# KiCad board nyx.kicad_pcb (continued)
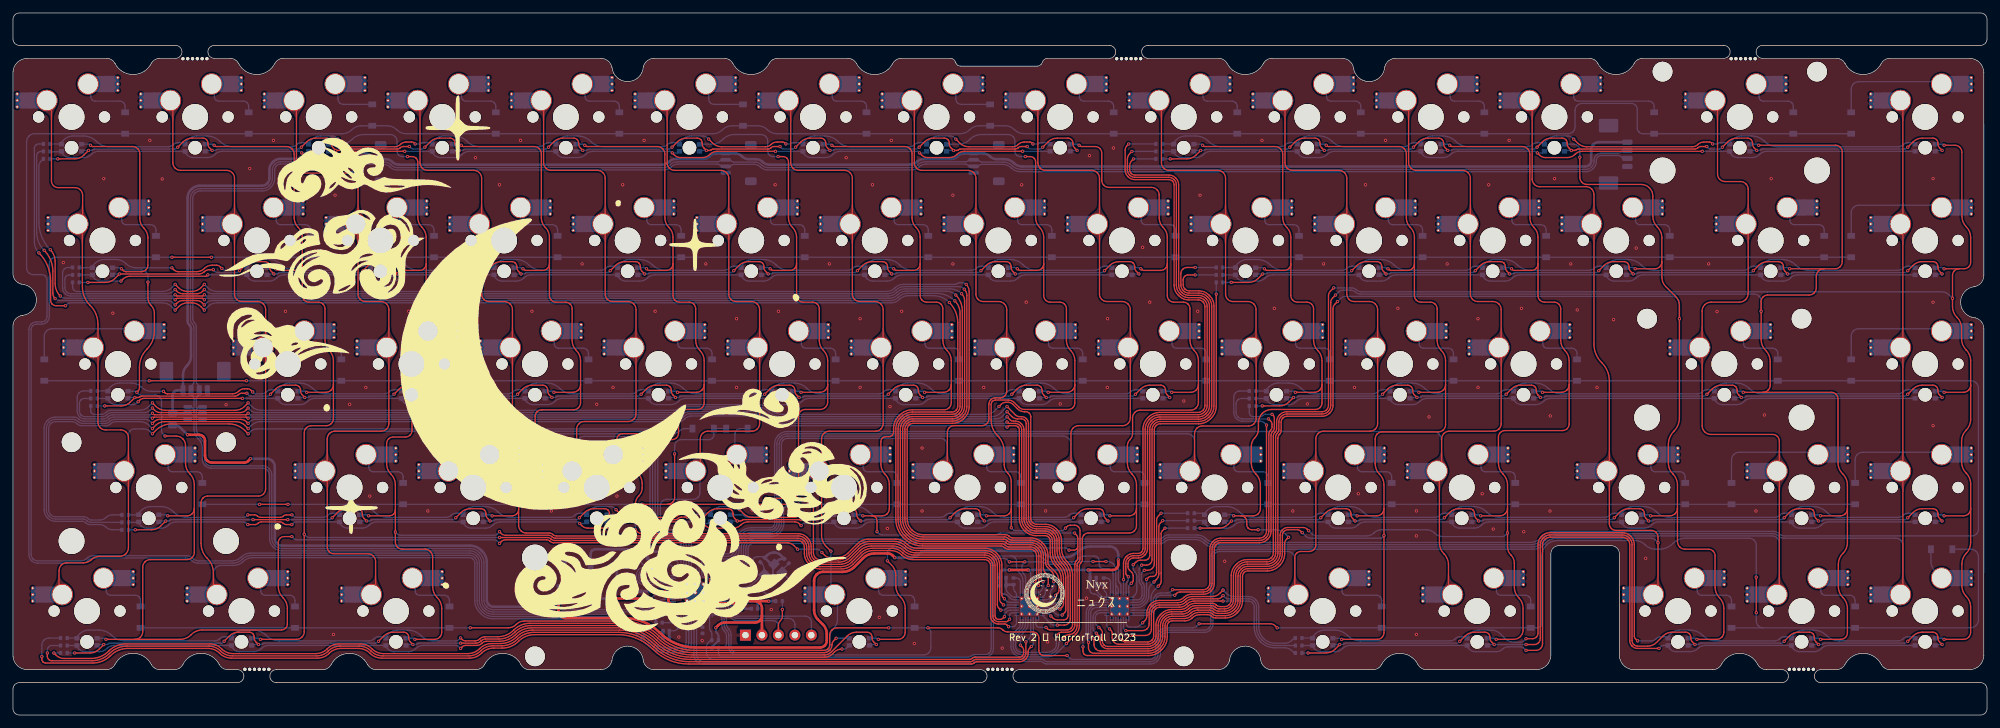
[diagram p0: board, top side]
## Routing (per net, layer and track width the routed paths; a pad name or vN(x,y) marks a point on that pad's centre or on a via; arc(x,y) is an arc through that point) (continued)
XTAL1: length 9.8
  Bottom w0.2: Y1.3 115.77,22.61 arc(115.7,22.99) 115.48,23.32 C1.1 ; 115.55,21.7 114.52,20.66 arc(113.22,19.79) 111.69,19.48 U3.20
XTAL2: length 11
  Bottom w0.2: U3.21 115.4,19.08 arc(115.67,19.03) 115.89,18.88 115.89,18.88 arc(116.12,18.73) 116.39,18.67 117.18,18.67 arc(117.56,18.75) 117.89,18.97 R1.1
~{NRST}: length 18.4
  Top w0.2: J2.3 118,13.83 arc(118.08,14.22) 118.29,14.54 118.32,14.57 arc(118.53,14.89) 118.61,15.27 v1(118.61,16.27)
  Bottom w0.2: U3.26 109.68,17.08 arc(109.93,17.03) 110.15,16.89 arc(110.29,16.68) 110.34,16.44 110.34,15.85 arc(110.43,15.38) 110.7,14.97 110.76,14.92 arc(111.16,14.65) 111.64,14.55 117.2,14.55 arc(117.5,14.49) 117.76,14.32 117.77,14.31 arc(117.94,14.05) 118,13.75 J2.3 ; R3.2 v1(118.61,16.27)
Net-(C13-Pad1): length 3.5
  Bottom w0.2: C13.1 118.53,22.32 Y1.1 119.73,20.85 R1.2
Net-(D1-A): length 9.2
  Bottom w0.2: D1.2 17.28,93.86 arc(17.22,94.16) 17.05,94.42 17.03,94.44 arc(16.77,94.61) 16.47,94.67 12.67,94.67 arc(12.42,94.72) 12.21,94.86 12.19,94.88 arc(12.05,95.09) 12,95.34 12,96.89 MX1.2
Net-(D2-A): length 9.2
  Bottom w0.2: MX2.2 31.05,96.89 31.05,95.34 arc(31.1,95.09) 31.24,94.88 31.26,94.86 arc(31.47,94.72) 31.72,94.67 35.52,94.67 arc(35.82,94.61) 36.08,94.44 36.1,94.42 arc(36.27,94.16) 36.33,93.86 D2.2
Net-(D3-A): length 8.2
  Bottom w0.2: MX3.2 50.1,96.89 50.1,95.02 arc(50.16,94.7) 50.35,94.42 50.35,94.42 arc(50.63,94.24) 50.95,94.17 D3.2
Net-(D4-A): length 9.2
  Bottom w0.2: MX4.2 69.15,96.89 69.15,95.34 arc(69.2,95.09) 69.34,94.88 69.36,94.86 arc(69.57,94.72) 69.82,94.67 73.62,94.67 arc(73.92,94.61) 74.18,94.44 74.2,94.42 arc(74.37,94.16) 74.43,93.86 D4.2
Net-(D5-A): length 9.2
  Bottom w0.2: D5.2 93.48,93.86 arc(93.42,94.16) 93.25,94.42 93.23,94.44 arc(92.97,94.61) 92.67,94.67 88.87,94.67 arc(88.62,94.72) 88.41,94.86 88.39,94.88 arc(88.25,95.09) 88.2,95.34 88.2,96.89 MX5.2
Net-(D6-A): length 8.2
  Bottom w0.2: MX6.2 107.25,96.89 107.25,95.02 arc(107.31,94.7) 107.5,94.42 107.5,94.42 arc(107.78,94.24) 108.1,94.17 D6.2
Net-(D7-A): length 9.2
  Bottom w0.2: D7.2 131.58,93.86 arc(131.52,94.16) 131.35,94.42 131.33,94.44 arc(131.07,94.61) 130.77,94.67 126.97,94.67 arc(126.72,94.72) 126.51,94.86 126.49,94.88 arc(126.35,95.09) 126.3,95.34 126.3,96.89 MX7.2
Net-(D8-A): length 8.2
  Bottom w0.2: MX8.2 145.35,96.89 145.35,95.02 arc(145.41,94.7) 145.6,94.42 145.6,94.42 arc(145.88,94.24) 146.2,94.17 D8.2
Net-(D9-A): length 9.2
  Bottom w0.2: D9.2 169.68,93.86 arc(169.62,94.16) 169.45,94.42 169.43,94.44 arc(169.17,94.61) 168.87,94.67 165.07,94.67 arc(164.82,94.72) 164.61,94.86 164.59,94.88 arc(164.45,95.09) 164.4,95.34 164.4,96.89 MX9.2
Net-(D10-A): length 9.2
  Bottom w0.2: MX10.2 183.45,96.89 183.45,95.34 arc(183.5,95.09) 183.64,94.88 183.66,94.86 arc(183.87,94.72) 184.12,94.67 187.92,94.67 arc(188.22,94.61) 188.48,94.44 188.5,94.42 arc(188.67,94.16) 188.73,93.86 D10.2
Net-(D11-A): length 9.2
  Bottom w0.2: D11.2 207.78,93.86 arc(207.72,94.16) 207.55,94.42 207.53,94.44 arc(207.27,94.61) 206.97,94.67 203.17,94.67 arc(202.92,94.72) 202.71,94.86 202.69,94.88 arc(202.55,95.09) 202.5,95.34 202.5,96.89 MX11.2
Net-(D12-A): length 9.2
  Bottom w0.2: MX12.2 221.55,96.89 221.55,95.34 arc(221.6,95.09) 221.74,94.88 221.76,94.86 arc(221.97,94.72) 222.22,94.67 226.02,94.67 arc(226.32,94.61) 226.58,94.44 226.6,94.42 arc(226.77,94.16) 226.83,93.86 D12.2
Net-(D13-A): length 16.3
  Bottom w0.2: D13.2 253,93.86 arc(252.94,94.16) 252.77,94.42 252.75,94.44 arc(252.49,94.61) 252.19,94.67 241.27,94.67 arc(241.02,94.72) 240.81,94.86 240.79,94.88 arc(240.65,95.09) 240.6,95.34 240.6,96.89 MX13.2
Net-(D14-A): length 9.2
  Bottom w0.2: MX14.2 269.18,96.89 269.18,95.34 arc(269.22,95.09) 269.37,94.88 269.38,94.86 arc(269.6,94.72) 269.84,94.67 273.64,94.67 arc(273.95,94.61) 274.21,94.44 274.22,94.42 arc(274.4,94.16) 274.46,93.86 D14.2
Net-(D15-A): length 18.3
  Bottom w0.2: MX15.2 296.97,97.67 284.54,97.67 arc(284.1,97.58) 283.73,97.34 283.72,97.33 arc(283.47,96.95) 283.38,96.51 D15.2
Net-(D16-A): length 9.2
  Bottom w0.2: MX16.2 16.76,77.84 16.76,76.29 arc(16.81,76.04) 16.95,75.83 16.97,75.81 arc(17.18,75.67) 17.43,75.62 21.23,75.62 arc(21.54,75.56) 21.8,75.39 21.81,75.37 arc(21.98,75.11) 22.04,74.81 D16.2
Net-(D17-A): length 10
  Bottom w0.2: 40.73,77.68 MX17.2 40.58,77.84 40.58,76.29 arc(40.62,76.04) 40.77,75.83 40.78,75.81 arc(41,75.67) 41.24,75.62 45.04,75.62 arc(45.35,75.56) 45.61,75.39 45.62,75.37 arc(45.8,75.11) 45.86,74.81 D17.2
Net-(D18-A): length 9.2
  Bottom w0.2: D18.2 64.91,74.81 arc(64.85,75.11) 64.67,75.37 64.66,75.39 arc(64.4,75.56) 64.09,75.62 60.29,75.62 arc(60.05,75.67) 59.83,75.81 59.82,75.83 arc(59.67,76.04) 59.63,76.29 59.63,77.84 MX18.2
Net-(D19-A): length 9.2
  Bottom w0.2: MX19.2 78.68,77.84 78.68,76.29 arc(78.72,76.04) 78.87,75.83 78.88,75.81 arc(79.1,75.67) 79.34,75.62 83.14,75.62 arc(83.45,75.56) 83.71,75.39 83.72,75.37 arc(83.9,75.11) 83.96,74.81 D19.2
Net-(D20-A): length 9.2
  Bottom w0.2: MX20.2 97.73,77.84 97.73,76.29 arc(97.77,76.04) 97.92,75.83 97.93,75.81 arc(98.15,75.67) 98.39,75.62 102.19,75.62 arc(102.5,75.56) 102.76,75.39 102.77,75.37 arc(102.95,75.11) 103.01,74.81 D20.2
Net-(D21-A): length 9.2
  Bottom w0.2: D21.2 122.06,74.81 arc(122,75.11) 121.82,75.37 121.81,75.39 arc(121.55,75.56) 121.24,75.62 117.44,75.62 arc(117.2,75.67) 116.98,75.81 116.97,75.83 arc(116.82,76.04) 116.78,76.29 116.78,77.84 MX21.2
Net-(D22-A): length 9.2
  Bottom w0.2: MX22.2 135.83,77.84 135.83,76.29 arc(135.87,76.04) 136.02,75.83 136.03,75.81 arc(136.25,75.67) 136.49,75.62 140.29,75.62 arc(140.6,75.56) 140.86,75.39 140.87,75.37 arc(141.05,75.11) 141.11,74.81 D22.2
Net-(D23-A): length 9.2
  Bottom w0.2: MX23.2 154.88,77.84 154.88,76.29 arc(154.92,76.04) 155.07,75.83 155.08,75.81 arc(155.3,75.67) 155.54,75.62 159.34,75.62 arc(159.65,75.56) 159.91,75.39 159.92,75.37 arc(160.1,75.11) 160.16,74.81 D23.2
Net-(D24-A): length 9.2
  Bottom w0.2: MX24.2 173.93,77.84 173.93,76.29 arc(173.97,76.04) 174.12,75.83 174.13,75.81 arc(174.35,75.67) 174.59,75.62 178.39,75.62 arc(178.7,75.56) 178.96,75.39 178.97,75.37 arc(179.15,75.11) 179.21,74.81 D24.2
Net-(D25-A): length 9.2
  Bottom w0.2: MX25.2 192.98,77.84 192.98,76.29 arc(193.02,76.04) 193.17,75.83 193.18,75.81 arc(193.4,75.67) 193.64,75.62 197.44,75.62 arc(197.75,75.56) 198.01,75.39 198.02,75.37 arc(198.2,75.11) 198.26,74.81 D25.2
Net-(D26-A): length 9.2
  Bottom w0.2: MX26.2 212.03,77.84 212.03,76.29 arc(212.07,76.04) 212.22,75.83 212.23,75.81 arc(212.45,75.67) 212.69,75.62 216.49,75.62 arc(216.8,75.56) 217.06,75.39 217.07,75.37 arc(217.25,75.11) 217.31,74.81 D26.2
Net-(D27-A): length 9.2
  Bottom w0.2: MX27.2 231.08,77.84 231.08,76.29 arc(231.12,76.04) 231.27,75.83 231.28,75.81 arc(231.5,75.67) 231.74,75.62 235.54,75.62 arc(235.85,75.56) 236.11,75.39 236.12,75.37 arc(236.3,75.11) 236.36,74.81 D27.2
Net-(D28-A): length 9.2
  Bottom w0.2: MX28.2 250.13,77.84 250.13,76.29 arc(250.17,76.04) 250.32,75.83 250.33,75.81 arc(250.55,75.67) 250.79,75.62 254.59,75.62 arc(254.9,75.56) 255.16,75.39 255.17,75.37 arc(255.35,75.11) 255.41,74.81 D28.2
Net-(D29-A): length 9.2
  Bottom w0.2: MX29.2 273.94,77.84 273.94,76.29 arc(273.99,76.04) 274.13,75.83 274.15,75.81 arc(274.36,75.67) 274.61,75.62 278.41,75.62 arc(278.71,75.56) 278.97,75.39 278.99,75.37 arc(279.16,75.11) 279.22,74.81 D29.2
Net-(D30-A): length 18.3
  Bottom w0.2: D30.2 283.38,77.46 arc(283.47,77.9) 283.72,78.28 283.73,78.29 arc(284.1,78.53) 284.54,78.62 296.97,78.62 MX30.2
Net-(D31-A): length 18.3
  Bottom w0.2: MX31.2 18.36,59.57 5.98,59.57 arc(5.54,59.48) 5.17,59.24 5.16,59.23 arc(4.91,58.85) 4.83,58.41 D31.2
Net-(D32-A): length 9.2
  Bottom w0.2: MX32.2 45.34,58.79 45.34,57.24 arc(45.39,56.99) 45.53,56.78 45.55,56.76 arc(45.76,56.62) 46.01,56.57 49.81,56.57 arc(50.11,56.51) 50.37,56.34 50.39,56.32 arc(50.56,56.06) 50.62,55.76 D32.2
Net-(D33-A): length 9.2
  Bottom w0.2: MX33.2 64.39,58.79 64.39,57.24 arc(64.44,56.99) 64.58,56.78 64.6,56.76 arc(64.81,56.62) 65.06,56.57 68.86,56.57 arc(69.16,56.51) 69.42,56.34 69.44,56.32 arc(69.61,56.06) 69.67,55.76 D33.2
Net-(D34-A): length 9.2
  Bottom w0.2: MX34.2 83.44,58.79 83.44,57.24 arc(83.49,56.99) 83.63,56.78 83.65,56.76 arc(83.86,56.62) 84.11,56.57 87.91,56.57 arc(88.21,56.51) 88.47,56.34 88.49,56.32 arc(88.66,56.06) 88.72,55.76 D34.2
Net-(D35-A): length 9.2
  Bottom w0.2: MX35.2 102.49,58.79 102.49,57.24 arc(102.54,56.99) 102.68,56.78 102.7,56.76 arc(102.91,56.62) 103.16,56.57 106.96,56.57 arc(107.26,56.51) 107.52,56.34 107.54,56.32 arc(107.71,56.06) 107.77,55.76 D35.2
Net-(D36-A): length 9.2
  Bottom w0.2: D36.2 126.82,55.76 arc(126.76,56.06) 126.59,56.32 126.57,56.34 arc(126.31,56.51) 126.01,56.57 122.21,56.57 arc(121.96,56.62) 121.75,56.76 121.73,56.78 arc(121.59,56.99) 121.54,57.24 121.54,58.79 MX36.2
Net-(D37-A): length 9.2
  Bottom w0.2: D37.2 145.87,55.76 arc(145.81,56.06) 145.64,56.32 145.62,56.34 arc(145.36,56.51) 145.06,56.57 141.26,56.57 arc(141.01,56.62) 140.8,56.76 140.78,56.78 arc(140.64,56.99) 140.59,57.24 140.59,58.79 MX37.2
Net-(D38-A): length 9.2
  Bottom w0.2: D38.2 164.92,55.76 arc(164.86,56.06) 164.69,56.32 164.67,56.34 arc(164.41,56.51) 164.11,56.57 160.31,56.57 arc(160.06,56.62) 159.85,56.76 159.83,56.78 arc(159.69,56.99) 159.64,57.24 159.64,58.79 MX38.2
Net-(D39-A): length 9.2
  Bottom w0.2: D39.2 183.97,55.76 arc(183.91,56.06) 183.74,56.32 183.72,56.34 arc(183.46,56.51) 183.16,56.57 179.36,56.57 arc(179.11,56.62) 178.9,56.76 178.88,56.78 arc(178.74,56.99) 178.69,57.24 178.69,58.79 MX39.2
Net-(D40-A): length 9.2
  Bottom w0.2: D40.2 203.02,55.76 arc(202.96,56.06) 202.79,56.32 202.77,56.34 arc(202.51,56.51) 202.21,56.57 198.41,56.57 arc(198.16,56.62) 197.95,56.76 197.93,56.78 arc(197.79,56.99) 197.74,57.24 197.74,58.79 MX40.2
Net-(D41-A): length 9.2
  Bottom w0.2: D41.2 222.07,55.76 arc(222.01,56.06) 221.84,56.32 221.82,56.34 arc(221.56,56.51) 221.26,56.57 217.46,56.57 arc(217.21,56.62) 217,56.76 216.98,56.78 arc(216.84,56.99) 216.79,57.24 216.79,58.79 MX41.2
Net-(D42-A): length 9.2
  Bottom w0.2: D42.2 241.12,55.76 arc(241.06,56.06) 240.89,56.32 240.87,56.34 arc(240.61,56.51) 240.31,56.57 236.51,56.57 arc(236.26,56.62) 236.05,56.76 236.03,56.78 arc(235.89,56.99) 235.84,57.24 235.84,58.79 MX42.2
Net-(D43-A): length 9.2
  Bottom w0.2: D43.2 272.08,55.76 arc(272.02,56.06) 271.84,56.32 271.83,56.34 arc(271.57,56.51) 271.26,56.57 267.46,56.57 arc(267.21,56.62) 267,56.76 266.98,56.78 arc(266.84,56.99) 266.79,57.24 266.79,58.79 MX43.2
Net-(D44-A): length 18.3
  Bottom w0.2: MX44.2 296.97,59.57 284.54,59.57 arc(284.1,59.48) 283.73,59.24 283.72,59.23 arc(283.47,58.85) 283.38,58.41 D44.2
Net-(D45-A): length 9.2
  Bottom w0.2: MX45.2 23.91,39.74 23.91,38.19 arc(23.96,37.94) 24.1,37.73 24.12,37.71 arc(24.33,37.57) 24.58,37.52 28.37,37.52 arc(28.68,37.46) 28.94,37.29 28.95,37.27 arc(29.13,37.01) 29.19,36.71 D45.2
Net-(D46-A): length 9.2
  Bottom w0.2: D46.2 60.14,36.71 arc(60.08,37.01) 59.91,37.27 59.9,37.29 arc(59.64,37.46) 59.33,37.52 55.53,37.52 arc(55.28,37.57) 55.07,37.71 55.05,37.73 arc(54.91,37.94) 54.86,38.19 54.86,39.74 MX46.2
Net-(D47-A): length 9.2
  Bottom w0.2: D47.2 79.19,36.71 arc(79.13,37.01) 78.96,37.27 78.95,37.29 arc(78.69,37.46) 78.38,37.52 74.58,37.52 arc(74.33,37.57) 74.12,37.71 74.1,37.73 arc(73.96,37.94) 73.91,38.19 73.91,39.74 MX47.2
Net-(D48-A): length 14.9
  Top w0.2: v1(100.5,43.4) 93.98,43.4 arc(93.65,43.33) 93.38,43.15 93.35,43.12 arc(93.16,42.85) 93.1,42.52 93.1,40.73 MX48.2
  Bottom w0.2: D48.2 103.64,44.17 arc(103.14,44.07) 102.72,43.79 102.71,43.78 arc(102.28,43.5) 101.79,43.4 v1(100.5,43.4)
Net-(D49-A): length 5.7
  Bottom w0.2: MX49.2 111.3,40.45 111.3,43.32 arc(111.36,43.65) 111.55,43.92 111.55,43.92 arc(111.83,44.11) 112.15,44.17 D49.2
Net-(D50-A): length 9.2
  Bottom w0.2: D50.2 136.34,36.71 arc(136.28,37.01) 136.11,37.27 136.1,37.29 arc(135.84,37.46) 135.53,37.52 131.73,37.52 arc(131.48,37.57) 131.27,37.71 131.25,37.73 arc(131.11,37.94) 131.06,38.19 131.06,39.74 MX50.2
Net-(D51-A): length 9.2
  Bottom w0.2: MX51.2 150.11,39.74 150.11,38.19 arc(150.16,37.94) 150.3,37.73 150.32,37.71 arc(150.53,37.57) 150.78,37.52 154.58,37.52 arc(154.89,37.46) 155.15,37.29 155.16,37.27 arc(155.33,37.01) 155.39,36.71 D51.2
Net-(D52-A): length 9.2
  Bottom w0.2: D52.2 174.44,36.71 arc(174.38,37.01) 174.21,37.27 174.2,37.29 arc(173.94,37.46) 173.63,37.52 169.83,37.52 arc(169.58,37.57) 169.37,37.71 169.35,37.73 arc(169.21,37.94) 169.16,38.19 169.16,39.74 MX52.2
Net-(D53-A): length 9.2
  Bottom w0.2: D53.2 193.49,36.71 arc(193.43,37.01) 193.26,37.27 193.25,37.29 arc(192.99,37.46) 192.68,37.52 188.88,37.52 arc(188.63,37.57) 188.42,37.71 188.4,37.73 arc(188.26,37.94) 188.21,38.19 188.21,39.74 MX53.2
Net-(D54-A): length 9.2
  Bottom w0.2: D54.2 212.54,36.71 arc(212.48,37.01) 212.31,37.27 212.3,37.29 arc(212.04,37.46) 211.73,37.52 207.93,37.52 arc(207.68,37.57) 207.47,37.71 207.45,37.73 arc(207.31,37.94) 207.26,38.19 207.26,39.74 MX54.2
Net-(D55-A): length 9.2
  Bottom w0.2: D55.2 231.59,36.71 arc(231.53,37.01) 231.36,37.27 231.35,37.29 arc(231.09,37.46) 230.78,37.52 226.98,37.52 arc(226.73,37.57) 226.52,37.71 226.5,37.73 arc(226.36,37.94) 226.31,38.19 226.31,39.74 MX55.2
Net-(D56-A): length 9.2
  Bottom w0.2: MX56.2 252.51,39.74 252.51,38.19 arc(252.56,37.94) 252.7,37.73 252.72,37.71 arc(252.93,37.57) 253.18,37.52 256.97,37.52 arc(257.28,37.46) 257.54,37.29 257.55,37.27 arc(257.73,37.01) 257.79,36.71 D56.2
Net-(D57-A): length 17.7
  Bottom w0.2: MX57.2 277.92,40.52 266.09,40.52 arc(265.65,40.43) 265.28,40.19 265.27,40.18 arc(265.02,39.8) 264.93,39.36 D57.2
Net-(D58-A): length 17.7
  Bottom w0.2: MX58.2 296.97,40.52 285.14,40.52 arc(284.7,40.43) 284.33,40.19 284.32,40.18 arc(284.07,39.8) 283.98,39.36 D58.2
Net-(D59-A): length 9.2
  Bottom w0.2: MX59.2 14.38,20.69 14.38,19.14 arc(14.43,18.89) 14.57,18.68 14.59,18.66 arc(14.8,18.52) 15.05,18.47 18.85,18.47 arc(19.16,18.41) 19.42,18.24 19.43,18.22 arc(19.6,17.96) 19.66,17.66 D59.2
Net-(D60-A): length 9.2
  Bottom w0.2: D60.2 43.48,17.66 arc(43.42,17.96) 43.24,18.22 43.23,18.24 arc(42.97,18.41) 42.66,18.47 38.86,18.47 arc(38.61,18.52) 38.4,18.66 38.38,18.68 arc(38.24,18.89) 38.19,19.14 38.19,20.69 MX60.2
Net-(D61-A): length 9.2
  Bottom w0.2: MX61.2 62.01,20.69 62.01,19.14 arc(62.06,18.89) 62.2,18.68 62.22,18.66 arc(62.43,18.52) 62.68,18.47 66.47,18.47 arc(66.78,18.41) 67.04,18.24 67.05,18.22 arc(67.23,17.96) 67.29,17.66 D61.2
Net-(D62-A): length 9.5
  Bottom w0.2: D62.2 139,17.66 arc(138.94,17.96) 138.77,18.22 138.75,18.24 arc(138.49,18.41) 138.19,18.47 134.11,18.47 arc(133.86,18.52) 133.65,18.66 133.63,18.68 arc(133.49,18.89) 133.44,19.14 133.44,20.69 MX62.2
Net-(D63-A): length 10
  Bottom w0.2: MX63.2 204.88,20.69 204.88,19.14 arc(204.93,18.89) 205.07,18.68 205.09,18.66 arc(205.3,18.52) 205.55,18.47 210.19,18.47 arc(210.49,18.41) 210.75,18.24 210.77,18.22 arc(210.94,17.96) 211,17.66 D63.2
Net-(D64-A): length 9.2
  Bottom w0.2: D64.2 233.98,17.66 arc(233.92,17.96) 233.74,18.22 233.73,18.24 arc(233.47,18.41) 233.16,18.47 229.36,18.47 arc(229.11,18.52) 228.9,18.66 228.88,18.68 arc(228.74,18.89) 228.69,19.14 228.69,20.69 MX64.2
Net-(D65-A): length 9.2
  Bottom w0.2: MX65.2 259.65,20.69 259.65,19.14 arc(259.7,18.89) 259.84,18.68 259.86,18.66 arc(260.07,18.52) 260.32,18.47 264.12,18.47 arc(264.42,18.41) 264.68,18.24 264.7,18.22 arc(264.87,17.96) 264.93,17.66 D65.2
Net-(D66-A): length 9.2
  Bottom w0.2: MX66.2 278.7,20.69 278.7,19.14 arc(278.75,18.89) 278.89,18.68 278.91,18.66 arc(279.12,18.52) 279.37,18.47 283.17,18.47 arc(283.47,18.41) 283.73,18.24 283.75,18.22 arc(283.92,17.96) 283.98,17.66 D66.2
Net-(D67-A): length 5
  Bottom w0.2: MX67.2 296.41,22.04 arc(295.87,22.85) 295.68,23.8 D67.2
Net-(LED1-BK): length 184
  Top w0.2: v1(63.5,87.57) 64.31,88.39 arc(64.96,88.82) 65.73,88.97 67.39,88.97 arc(67.68,88.92) 67.92,88.75 67.93,88.74 arc(68.09,88.5) 68.15,88.21 68.15,88.1 arc(68.22,87.75) 68.41,87.46 v1(68.8,87.07) ; v1(6.9,85.77) 9.52,85.77 arc(10.29,85.92) 10.94,86.36 v1(11.65,87.07) ; v1(125.95,87.07) 125.56,87.46 arc(125.37,87.75) 125.3,88.1 125.3,88.21 arc(125.24,88.5) 125.08,88.74 125.07,88.75 arc(124.83,88.92) 124.54,88.97 122.88,88.97 arc(122.11,88.82) 121.46,88.39 v1(120.65,87.57) ; v1(158.75,87.57) 159.56,88.39 arc(160.21,88.82) 160.98,88.97 162.64,88.97 arc(162.93,88.92) 163.17,88.75 163.18,88.74 arc(163.34,88.5) 163.4,88.21 163.4,88.1 arc(163.47,87.75) 163.66,87.46 v1(164.05,87.07) ; v1(87.85,87.07) 87.46,87.46 arc(87.27,87.75) 87.2,88.1 87.2,88.21 arc(87.14,88.5) 86.98,88.74 86.97,88.75 arc(86.73,88.92) 86.44,88.97 84.78,88.97 arc(84.01,88.82) 83.36,88.39 v1(82.55,87.57) ; v1(139.7,87.57) 140.51,88.39 arc(141.16,88.82) 141.93,88.97 143.59,88.97 arc(143.88,88.92) 144.12,88.75 144.13,88.74 arc(144.29,88.5) 144.35,88.21 144.35,88.1 arc(144.42,87.75) 144.61,87.46 v1(145,87.07) 145.51,87.07 arc(145.64,87.1) 145.76,87.17 145.77,87.18 arc(145.88,87.26) 146.02,87.29 154.5,87.29 arc(154.74,87.34) 154.96,87.48 154.96,87.48 arc(155.17,87.62) 155.42,87.67 v1(156.35,87.67) ; v1(61.1,87.67) 60.17,87.67 arc(59.92,87.62) 59.71,87.48 59.71,87.48 arc(59.49,87.34) 59.25,87.29 50.77,87.29 arc(50.63,87.26) 50.52,87.18 50.51,87.17 arc(50.39,87.1) 50.26,87.07 v1(49.75,87.07) 49.36,87.46 arc(49.17,87.75) 49.1,88.1 49.1,88.21 arc(49.04,88.5) 48.88,88.74 48.87,88.75 arc(48.63,88.92) 48.34,88.97 46.68,88.97 arc(45.91,88.82) 45.26,88.39 v1(44.45,87.57) ; v1(118.25,87.67) 117.32,87.67 arc(117.07,87.62) 116.86,87.48 116.86,87.48 arc(116.64,87.34) 116.4,87.29 107.92,87.29 arc(107.78,87.26) 107.67,87.18 107.66,87.17 arc(107.54,87.1) 107.41,87.07 v1(106.9,87.07) 106.51,87.46 arc(106.32,87.75) 106.25,88.1 106.25,88.21 arc(106.19,88.5) 106.03,88.74 106.02,88.75 arc(105.78,88.92) 105.49,88.97 103.83,88.97 arc(103.06,88.82) 102.41,88.39 v1(101.6,87.57) ; v1(25.4,87.57) 26.21,88.39 arc(26.86,88.82) 27.63,88.97 29.29,88.97 arc(29.58,88.92) 29.82,88.75 29.83,88.74 arc(29.99,88.5) 30.05,88.21 30.05,88.1 arc(30.12,87.75) 30.31,87.46 v1(30.7,87.07)
  Bottom w0.2: v1(145,87.07) 144.07,87.07 LED8.2 ; LED3.2 48.82,87.07 v1(49.75,87.07) ; LED2.2 29.77,87.07 v1(30.7,87.07) 31.11,87.07 arc(31.24,87.1) 31.36,87.17 31.37,87.18 arc(31.48,87.26) 31.62,87.29 43.96,87.29 arc(44.15,87.33) 44.31,87.43 v1(44.45,87.57) ; v1(118.25,87.67) 118.49,87.43 arc(118.65,87.33) 118.84,87.29 120.16,87.29 arc(120.35,87.33) 120.51,87.43 v1(120.65,87.57) ; LED9.2 163.12,87.07 v1(164.05,87.07) ; v1(106.9,87.07) 105.97,87.07 LED6.2 ; v1(6.9,85.77) R10.2 ; v1(82.55,87.57) 82.41,87.43 arc(82.25,87.33) 82.06,87.29 69.72,87.29 arc(69.58,87.26) 69.47,87.18 69.46,87.17 arc(69.34,87.1) 69.21,87.07 v1(68.8,87.07) 67.87,87.07 LED4.2 ; v1(156.35,87.67) 156.59,87.43 arc(156.75,87.33) 156.94,87.29 158.26,87.29 arc(158.45,87.33) 158.61,87.43 v1(158.75,87.57) ; v1(61.1,87.67) 61.34,87.43 arc(61.5,87.33) 61.69,87.29 63.01,87.29 arc(63.2,87.33) 63.36,87.43 v1(63.5,87.57) ; v1(139.7,87.57) 139.56,87.43 arc(139.4,87.33) 139.21,87.29 126.87,87.29 arc(126.73,87.26) 126.62,87.18 126.61,87.17 arc(126.49,87.1) 126.36,87.07 v1(125.95,87.07) 125.02,87.07 LED7.2 ; LED5.2 86.92,87.07 v1(87.85,87.07) 88.26,87.07 arc(88.39,87.1) 88.51,87.17 88.52,87.18 arc(88.63,87.26) 88.77,87.29 101.11,87.29 arc(101.3,87.33) 101.46,87.43 v1(101.6,87.57) ; v1(25.4,87.57) 25.26,87.43 arc(25.1,87.33) 24.91,87.29 12.57,87.29 arc(12.43,87.26) 12.32,87.18 12.31,87.17 arc(12.19,87.1) 12.06,87.07 v1(11.65,87.07) 10.72,87.07 LED1.2
Net-(LED1-GK): length 163.3
  Top w0.2: v1(155.65,86.94) 146.68,86.94 arc(146.07,86.82) 145.55,86.47 145.52,86.44 arc(145,86.09) 144.39,85.97 140.99,85.97 arc(140.51,86.07) 140.1,86.34 v1(139.75,86.69) ; v1(101.64,86.69) 101.99,86.34 arc(102.4,86.07) 102.88,85.97 106.29,85.97 arc(106.9,86.09) 107.42,86.44 107.45,86.47 arc(107.97,86.82) 108.58,86.94 v1(117.55,86.94) ; v1(60.4,86.94) 51.43,86.94 arc(50.82,86.82) 50.3,86.47 50.27,86.44 arc(49.75,86.09) 49.14,85.97 45.74,85.97 arc(45.26,86.07) 44.85,86.34 v1(44.5,86.69)
  Bottom w0.2: 5.71,86.87 7.42,86.87 LED1.3 7.48,86.69 7.83,86.34 arc(8.24,86.07) 8.72,85.97 10.94,85.97 arc(11.55,86.09) 12.07,86.44 12.1,86.47 arc(12.62,86.82) 13.23,86.94 LED2.3 26.53,86.69 26.88,86.34 arc(27.29,86.07) 27.77,85.97 29.99,85.97 arc(30.6,86.09) 31.12,86.44 31.15,86.47 arc(31.67,86.82) 32.28,86.94 44.11,86.94 arc(44.24,86.91) 44.36,86.84 v1(44.5,86.69) 45.34,86.69 LED3.3 ; LED8.3 140.59,86.69 v1(139.75,86.69) 139.5,86.94 127.53,86.94 arc(126.92,86.82) 126.4,86.47 126.37,86.44 arc(125.85,86.09) 125.24,85.97 123.02,85.97 arc(122.54,86.07) 122.13,86.34 121.78,86.69 LED7.3 v1(117.55,86.94) ; v1(60.4,86.94) LED4.3 64.63,86.69 64.98,86.34 arc(65.39,86.07) 65.87,85.97 68.09,85.97 arc(68.7,86.09) 69.22,86.44 69.25,86.47 arc(69.77,86.82) 70.38,86.94 LED5.3 83.68,86.69 84.03,86.34 arc(84.44,86.07) 84.92,85.97 87.14,85.97 arc(87.75,86.09) 88.27,86.44 88.3,86.47 arc(88.82,86.82) 89.43,86.94 101.25,86.94 arc(101.38,86.91) 101.5,86.84 v1(101.64,86.69) 102.48,86.69 102.73,86.94 ; v1(155.65,86.94) LED9.3
Net-(LED1-RK): length 165.6
  Top w0.2: v1(119.15,88.07) 119,88.23 arc(118.83,88.33) 118.64,88.37 117.77,88.37 arc(117.3,88.28) 116.89,88.01 116.89,88 arc(116.48,87.73) 116,87.64 109.26,87.64 arc(108.5,87.79) 107.85,88.22 v1(107.25,88.82) ; v1(145.35,88.82) 145.95,88.22 arc(146.6,87.79) 147.36,87.64 154.1,87.64 arc(154.58,87.73) 154.99,88 154.99,88.01 arc(155.4,88.28) 155.87,88.37 156.74,88.37 arc(156.93,88.33) 157.1,88.23 v1(157.25,88.07) ; v1(50.1,88.82) 50.7,88.22 arc(51.35,87.79) 52.11,87.64 58.85,87.64 arc(59.33,87.73) 59.74,88 59.74,88.01 arc(60.15,88.28) 60.62,88.37 61.49,88.37 arc(61.68,88.33) 61.85,88.23 v1(62,88.07)
  Bottom w0.2: v1(145.35,88.82) 145.14,89.04 arc(144.84,89.23) 144.5,89.3 142.66,89.3 arc(141.89,89.15) 141.24,88.71 140.83,88.31 LED8.4 140.6,88.27 139.73,88.27 arc(139.33,88.19) 138.99,87.96 138.97,87.94 arc(138.63,87.72) 138.23,87.64 129.15,87.64 arc(128.08,87.85) 127.17,88.46 127.15,88.48 arc(126.24,89.09) 125.17,89.3 123.61,89.3 arc(122.84,89.15) 122.19,88.71 121.78,88.31 LED7.4 121.55,88.27 120.27,88.27 arc(120.16,88.25) 120.06,88.18 120.04,88.16 arc(119.94,88.1) 119.83,88.07 v1(119.15,88.07) ; v1(50.1,88.82) 49.89,89.04 arc(49.59,89.23) 49.25,89.3 47.41,89.3 arc(46.64,89.15) 45.99,88.71 45.58,88.31 LED3.4 45.35,88.27 44.48,88.27 arc(44.08,88.19) 43.74,87.96 43.72,87.94 arc(43.38,87.72) 42.98,87.64 33.9,87.64 arc(32.83,87.85) 31.92,88.46 31.9,88.48 arc(30.99,89.09) 29.92,89.3 28.36,89.3 arc(27.59,89.15) 26.94,88.71 26.53,88.31 LED2.4 26.3,88.27 25.43,88.27 arc(25.03,88.19) 24.69,87.96 24.67,87.94 arc(24.33,87.72) 23.93,87.64 14.85,87.64 arc(13.78,87.85) 12.87,88.46 12.85,88.48 arc(11.94,89.09) 10.87,89.3 9.26,89.3 arc(8.49,89.15) 7.84,88.71 7.48,88.36 LED1.4 7.45,88.07 R12.2 ; v1(107.25,88.82) 107.04,89.04 arc(106.74,89.23) 106.4,89.3 104.56,89.3 arc(103.79,89.15) 103.14,88.71 102.73,88.31 LED6.4 102.5,88.27 101.63,88.27 arc(101.23,88.19) 100.89,87.96 100.87,87.94 arc(100.53,87.72) 100.13,87.64 91.05,87.64 arc(89.98,87.85) 89.07,88.46 89.05,88.48 arc(88.14,89.09) 87.07,89.3 85.51,89.3 arc(84.74,89.15) 84.09,88.71 83.68,88.31 LED5.4 83.45,88.27 82.58,88.27 arc(82.18,88.19) 81.84,87.96 81.82,87.94 arc(81.48,87.72) 81.08,87.64 72,87.64 arc(70.93,87.85) 70.02,88.46 70,88.48 arc(69.09,89.09) 68.02,89.3 66.46,89.3 arc(65.69,89.15) 65.04,88.71 64.63,88.31 LED4.4 64.4,88.27 63.12,88.27 arc(63.01,88.25) 62.91,88.18 62.89,88.16 arc(62.79,88.1) 62.68,88.07 v1(62,88.07) ; v1(157.25,88.07) 157.93,88.07 arc(158.04,88.1) 158.14,88.16 158.16,88.18 arc(158.26,88.25) 158.37,88.27 159.65,88.27 LED9.4
Net-(LED10-BK): length 136.6
  Top w0.2: v1(221.2,87.07) 220.81,87.46 arc(220.62,87.75) 220.55,88.1 220.55,88.21 arc(220.49,88.5) 220.33,88.74 220.32,88.75 arc(220.08,88.92) 219.79,88.97 218.13,88.97 arc(217.36,88.82) 216.71,88.39 v1(215.9,87.57) ; v1(292.1,87.57) 292.91,88.39 arc(293.56,88.82) 294.33,88.97 295.99,88.97 arc(296.28,88.92) 296.52,88.75 296.53,88.74 arc(296.69,88.5) 296.75,88.21 296.75,88.1 arc(296.82,87.75) 297.01,87.46 v1(297.4,87.07) ; v1(268.83,87.07) 268.44,87.46 arc(268.24,87.75) 268.18,88.1 268.18,88.21 arc(268.12,88.5) 267.96,88.74 267.94,88.75 arc(267.7,88.92) 267.41,88.97 265.75,88.97 arc(264.99,88.82) 264.34,88.39 v1(263.53,87.57) ; v1(178.4,85.77) 180.97,85.77 arc(181.74,85.92) 182.39,86.36 v1(183.1,87.07) ; v1(196.85,87.57) 197.66,88.39 arc(198.31,88.82) 199.08,88.97 200.74,88.97 arc(201.03,88.92) 201.27,88.75 201.28,88.74 arc(201.44,88.5) 201.5,88.21 201.5,88.1 arc(201.57,87.75) 201.76,87.46 v1(202.15,87.07) ; v1(234.95,87.57) 235.76,88.39 arc(236.41,88.82) 237.18,88.97 238.84,88.97 arc(239.13,88.92) 239.37,88.75 239.38,88.74 arc(239.54,88.5) 239.6,88.21 239.6,88.1 arc(239.67,87.75) 239.86,87.46 v1(240.25,87.07) 240.76,87.07 arc(240.89,87.1) 241.01,87.17 241.02,87.18 arc(241.13,87.26) 241.27,87.29 259.27,87.29 arc(259.52,87.34) 259.73,87.48 259.73,87.48 arc(259.95,87.62) 260.19,87.67 v1(261.13,87.67)